# Altium PCB PCB_POWER.PcbDoc (continued)
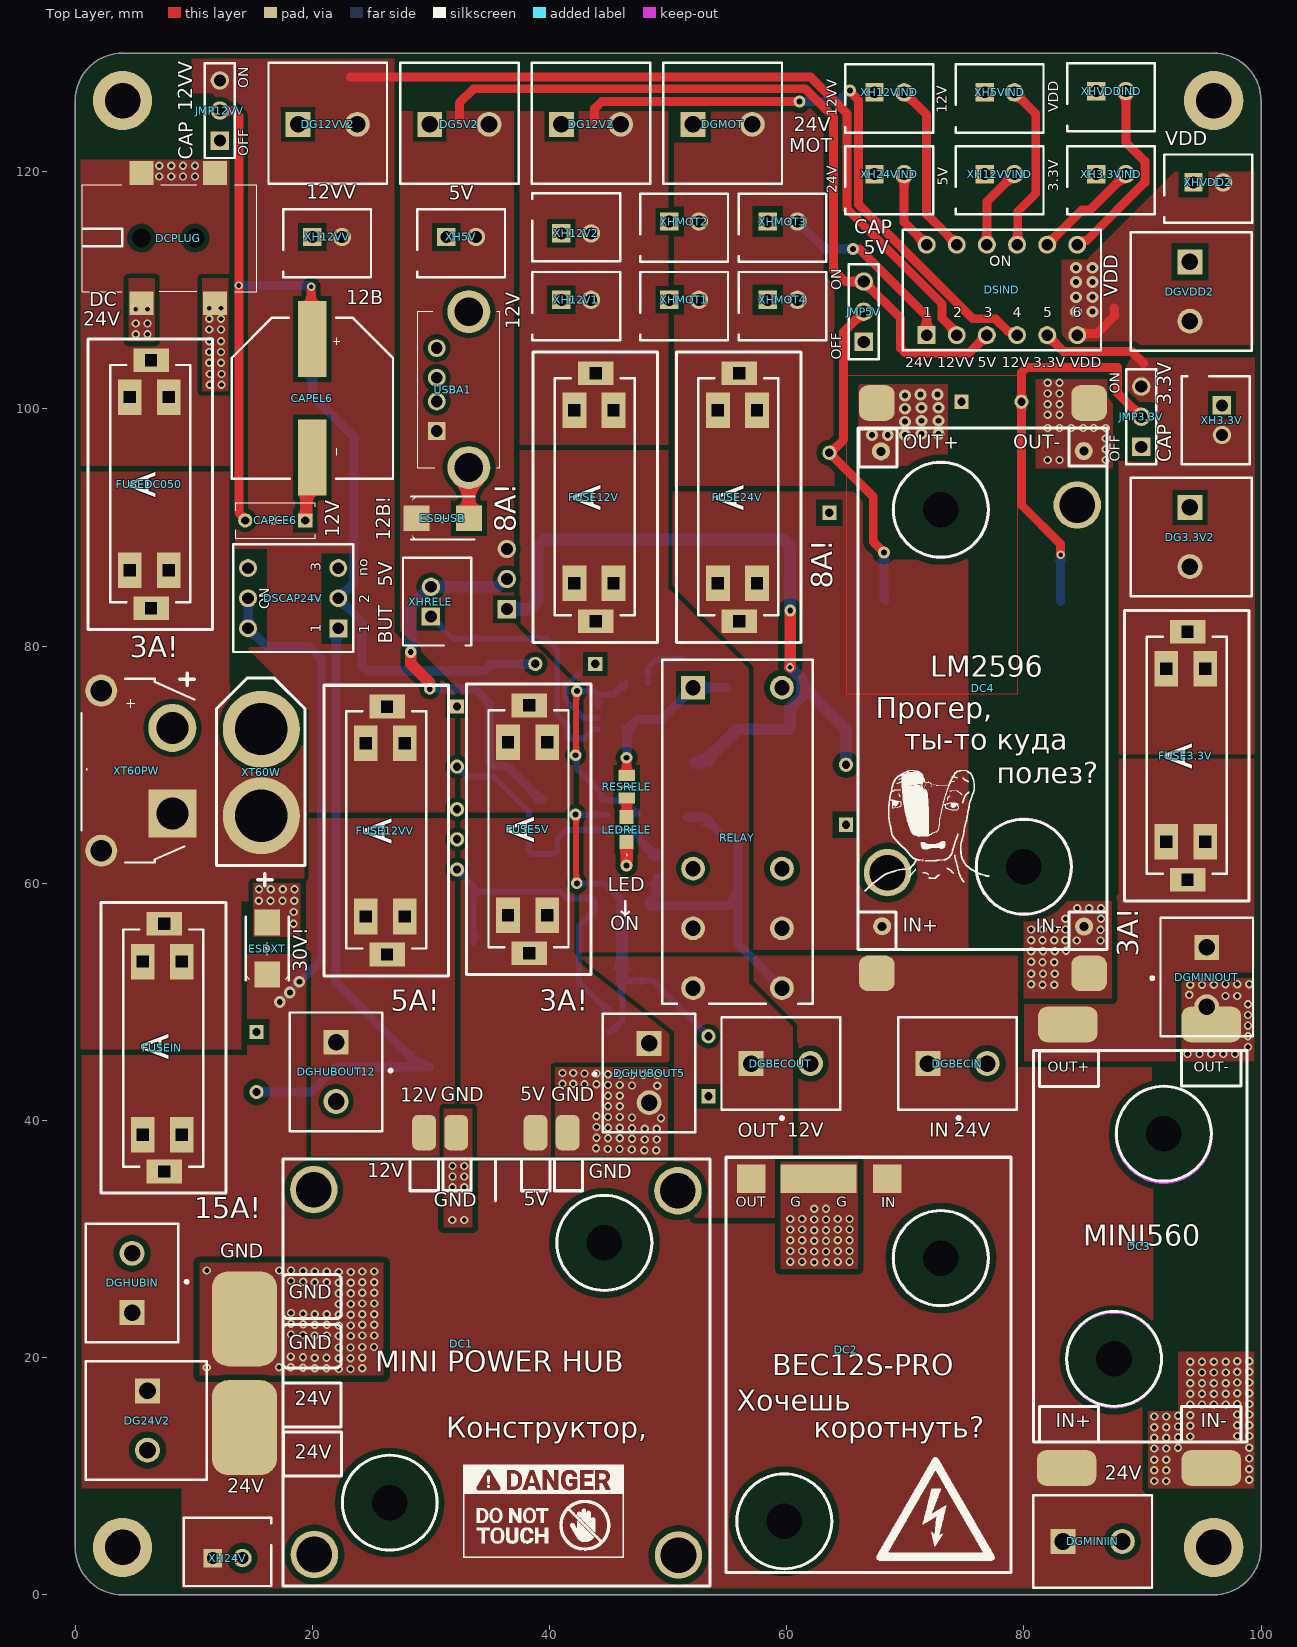
[diagram p0: Top Layer view]
## Footprints (in the part's own frame and the unit in brackets; to place one, negate y for a bottom-side part, rotate by r counter-clockwise, add the part's x,y. Pads: shape width x height; smd on the part's side, far side on the other; paste and mask are expansions set on the pad) (continued)
  rect 3x2 hole 1 square paste-2539.97 mask+0: 1(5,7) 1(5,3.7) 2(19.6,3.7) 2(19.6,7)
  silkscreen extent 0,0 24.5,10.5, body extent 0.12,0.38 24.62,10.08, height 11.2
Fuse#2 [mm]
  rect 2x3 hole 1 square paste-2539.97 mask+0: 1(1.8,-5.2) 2(22.7,-5.2)
  rect 3x2 hole 1 square paste-2539.97 mask+0: 1(5,-3.7) 1(5,-7) 2(19.6,-7) 2(19.6,-3.7)
  silkscreen extent 0,-10.5 24.5,0, body extent 0.12,-10.08 24.62,-0.38, height 11.2
JMP-03P [mm]
  rect 1.55x1.55 hole 1.02: 1(1.625,1.335)
  round 1.55 hole 1.02: 2(4.165,1.335) 3(6.705,1.335)
  silkscreen extent 0.17,0.07 8.17,2.61, body extent 0.36,0.07 7.98,2.61, height 8.38
LED0805 [mm]
  rect 1.2x1.2 smd: 1(0.713,0.735) 2(2.813,0.735)
  silkscreen extent -0.44,0.2 1.75,1.25, body extent 0.77,0.1 2.78,1.35, height 0.8
LM317 [mm]
  rect 0.95x1.75 smd: 1(0.711,1.253) 2(3.011,1.253) 3(5.311,1.253)
  rect 3.2x1.75 smd: 2(3.011,7.553)
  silkscreen extent -0.24,2.65 6.26,6.15, body extent -0.24,0.9 6.26,7.9, height 1.68
LM393ADR [mm]
  rect 1.528x0.65 smd: 1(0.877,4.536) 2(0.877,3.266) 3(0.877,1.996) 4(0.877,0.726) 5(6.299,0.726) 6(6.299,1.996) 7(6.299,3.266) 8(6.299,4.536)
  silkscreen extent 2.19,0.18 4.93,5.08, body extent 0.61,0.18 6.64,5.08, height 1.63
MAX40203 [mm]
  rect 1.25x0.6 smd: 1(-0.425,2.4) 3(-0.425,0.5) 4(2.075,0.5) 5(2.075,2.4)
  rect 1.25x0.5 smd: 2(-0.425,1.45)
  silkscreen extent 0.53,2.58 0.63,2.67, body extent -0.58,0 2.22,2.9, height 1.45
MINI560 [mm]
  round 0 hole 3 unplated: 0(6.798,7.006) 0(11,26)
  rrect50% 5x3 / inner rect 0x0 / far side rrect50% 0x0 all layers, no hole: 1(2.8,-2.2) 2(15,-2.2) 2(15,35.2) 3(2.9,35.2)
  silkscreen extent 0,0 18,33, body extent -0.32,-0.39 18.32,33.2, height 3
"MINI POWER HUB" [mm]
  round 4 hole 3 mask+0.1: 0(8.8,33.8)
  round 4 hole 3: 0(8.85,3.025) 0(39.5,33.7) 0(39.55,2.975)
  round 0 hole 3 unplated: 0(15.2,7.4) 0(33.3,29.3)
  rrect50% 5.5x8 / inner rect 0x0 / far side rrect50% 0x0 all layers, no hole: 1(2.95,13.725) 2(2.95,22.9)
  rrect50% 2x3 / inner rect 0x0 / far side rrect50% 0x0 all layers, no hole: 2(20.8,38.6) 2(30.2,38.6) 3(18.1,38.6) 4(27.5,38.6)
  silkscreen extent 6.21,0.38 42.21,36.38, body extent 6.05,0.25 42.3,36.5, height 3.76
RELAY-5V [mm]
  rect 2x2 hole 1.3 paste-2539.97 mask+0: 1(2.455,2.6)
  round 2 hole 1.3 paste-2539.97 mask+0: 2(2.455,10.1) A1(22.755,2.6) A2(17.715,2.6) A3(27.795,2.6) B1(22.755,10.1) B2(17.715,10.1) B3(27.795,10.1)
  silkscreen extent 0.11,0 29.1,12.7, body extent 0.11,0 29.1,12.7, height 16.2
RES0805 [mm]
  rect 0.95x1.4 smd: 1(0.578,0.804) 2(2.478,0.804)
  silkscreen extent 1.53,0.28 1.53,1.33, body extent 0.53,0.18 2.53,1.43, height 0.6
SM6T-A [mm]
  rect 2.2x2.15 smd: 1(1.126,1.927) 2(5.526,1.927)
  silkscreen extent 0.65,0.1 6,3.75, body extent 0.65,0.07 6,3.78, height 2.5
SMD_Fuse [mm]
  rect 3.81x4.24 smd: 1(1.908,2.654) 2(8.288,2.654)
  silkscreen extent 0.23,0.14 9.96,5.19, body extent 0.23,0.11 9.96,5.14, height 3.89
USBA-1JS [mm]
  round 3.615 hole 2.41: A(14.362,5.361) B(1.222,5.361)
  round 1.5 hole 1: D+(6.792,2.651) D-(8.792,2.651) GND(4.292,2.651)
  rect 1.5x1.5 hole 1: VDD(11.292,2.651)
  silkscreen extent 1.19,1.05 14.39,7.95, body extent 0.65,0.2 15,7.25, height 13.35
XH2.54-2#1 [mm]
  rect 1.55x1.55 hole 1 paste-2539.97 mask+0: 1(5.041,2.483)
  round 1.55 hole 1 paste-2539.97 mask+0: 2(2.541,2.483)
  silkscreen extent 0.09,0.13 7.49,5.88, body extent -0.01,0.03 7.59,5.98, height 0.25
XH2.54-2#2 [mm]
  rect 1.55x1.55 hole 1 paste-2539.97 mask+0: 1(5.041,-2.483)
  round 1.55 hole 1 paste-2539.97 mask+0: 2(2.541,-2.483)
  silkscreen extent 0.09,-5.88 7.49,-0.13, body extent 0.09,-5.88 7.49,-0.13, height 7
XH2.54-2#3 [mm]
  round 1.55 hole 1 paste-2539.97 mask+0: 1(5.041,2.483)
  rect 1.55x1.55 hole 1 paste-2539.97 mask+0: 2(2.541,2.483)
  silkscreen extent 0.09,0.13 7.49,5.88, body extent -0.01,0.03 7.59,5.98, height 0.25
XT60 [mm]
  round 6.5 hole 4.4: 1(3.787,11.588) 2(3.787,4.288)
  silkscreen extent -0.01,0.09 7.49,15.89, body extent 0.04,-0.31 7.54,16.24, height 16
XT60PW [mm]
  round 2.7 hole 1.8: 0(1.175,7.936) 0(14.675,7.936)
  rect 4.05x4.05 hole 2.7: 1(4.325,1.936)
  round 4.05 hole 2.7: 2(11.525,1.936)
  silkscreen extent 0.18,0.09 15.68,9.6, body extent -0.25,0.1 16.3,7.6, height 16
К10-17Б [mm]
  rect 1.2x1.2 hole 0.7: 1(0.838,1.533)
  round 1.2 hole 0.7: 2(5.9,1.533)
  silkscreen extent 0.01,0.03 6.7,3.03, body extent 0.48,0 6.22,3, height 4.51

## Part data
ANCOM1: "MAX40203AUK+T"
CAPCE1 CAPCE2 CAPCE5 CAPCE6 CAPCE7 CAPCMP CAPGIS CAPREG: library part CAP, "К10-17Б"
CAPEL1 CAPEL2 CAPEL5 CAPEL6 CAPEL7: library part CAP-12.5x13.5, "YUQINGXIN"
CMP: "LM393ADR"
CMPLOOP RCMP1 RCMP? RESCMP RESRELE RVAR: library part RES0805, "RES-SMD0805"
DC1: "DC-DC MINU POWER HUB BEC 5V & 12V"
DC2: "DC-DC BEC12S-PRO"
DC3: "MINI560 PRO DC-DC"
DC4: "LM2596 DC-DC"
DCPLUG: "DC050-T"
DG3.3V2: library part DG128-5.0-02P, "DG128-5.0-02P-14"
DG5V2 DG12V2 DG12VV2 DG24V2 DGMOT DGVDD2: "DG128-5.0-02P-14"
DGBECIN DGBECOUT: library part DG127-5.0-02P, "DG127-5.0-02P-14-00Z"
DGHUBIN DGHUBOUT5 DGHUBOUT12 DGMINIIN DGMINIOUT: "DG127-5.0-02P-14-00Z"
DIODRELE: "1N4448WS-7-F"
DSCAP24V: "DS1040-03RN"
DSIND: "DS1040-06RN"
ESDPLUG ESDUSB ESDXT: library part SM6T-A, "SM6T12A-SMD"
FUSE3.3V FUSE5V FUSE12V FUSE12VV FUSE24V FUSEDC050 FUSEIN: library part Fuse, "KLS5-242 & BLX-A & BF-013"
JMP3.3V JMP5V JMP12VV: library part JMP-03P, "PLS-1x3"
JMPRELE: "PLS-1x3"
LEDCMP1 LEDCMP2: "LED-SMD0805"
LEDRELE: library part LED0805, "LED-SMD0805"
RCMP2: "3296W"
RELAY: library part RELAY-5V, "R2G2CH005"
SMDFUSEVDD: library part SMD_Fuse, "01550900M"
USBA1: library part USBA-1JS, "DS1095-10"
VREF1: "LM317AEMP"
VREF2: "78M05 +5V"
XH3.3V XH3.3VIND XH5V XH5VIND XH12V1 XH12V2 XH12VIND XH12VV XH12VVIND XH24VIND XHMOT1 XHMOT2 XHMOT3 XHMOT4 XHRELE XHVDDIND: "JST XH2.54-2pin"
XH24V XHVDD2: library part XH2.54-2, "JST XH2.54-2pin"
XT60PW: library part XT60PW, "XT60PW-F"
XT60W: "XT60U-F"

## Free pads (board coordinates)
  round 5 hole 3: 24(4,4) 24(4,126) 24(96,4) 24(96,126)
  round 1.524 hole 0.762: 26(68.05,56.375) 27(85.075,56.35) 28(85.05,96.45) 29(67.95,96.425)

## Via types
v1: diameter 0.7, hole 0.4, Top Layer to Bottom Layer, 326 vias
v2: diameter 1, hole 0.5, Top Layer to Bottom Layer, 38 vias

## Nets (pads, with @x,y where several pads share a name; then routed paths per layer and width w, separated by ;. In a path a pad name is that pad's centre, name@x,y a point inside that pad or via, vN(x,y) a via of type N, cw(c..) or ccw(c..) an arc to the next point about the centre after c; other vN are vias at no path point)
3.3V: DG3.3V2.1 DSIND.5 FUSE3.3V.2 JMP3.3V.3 XH3.3V.2 | length 9.1
  Top Layer w0.75: DSIND.5 83.349,104.836 89.104,104.836 90.1,103.84
5V: DG5V2.1 DSIND.3 ESDUSB.1 FUSE5V.2 JMP5V.3 JMPRELE.3 USBA1.VDD XH5V.2 | length 65.3
  Top Layer w0.75: 32.4,124.3 32.4,125.8 33.6,127 61.561,127 63.954,124.607 63.954,111.746 64.96,110.74 JMP5V.3 69.6,107.64 69.6,105.139 70.039,104.7 75.355,104.7 DSIND.3
5VLDO: CAPREG.2 JMPRELE.1 VREF2.3 | length 62.9
  Top Layer w1: v1(60.286,78.218) 60.3,78.232 v2(60.3,83)
  Bottom Layer w1: JMPRELE.1 38.334,83.12 39,83.786 39,88.414 39.586,89 59.7,89 60.286,88.414 60.286,83.014 v2(60.3,83) ; VREF2.3 53,70.172 55.814,72.986 60.286,72.986 60.286,74.782 61.3,75.796 61.3,76.7 ; v1(60.286,78.218) 61.3,77.204 61.3,76.7 ; CAPREG.2 65,73 61.3,76.7
12V: DG12V2.1 DSIND.4 FUSE12V.2 XH12V1.2 XH12V2.2 | length 51.1
  Top Layer w0.75: 43.9,124.3 43.8,124.4 43.8,125.325 44.4,125.925 v2(61.075,125.925) ; v2(65.325,126.85) 65.325,126.782 66.05,126.057 66.05,117.25 75.7,107.6 77.6,107.6 78.671,106.529 78.926,106.529 79.275,106.18 DSIND.4@79.48,106.18
  Bottom Layer w0.75: v2(61.075,125.925) 64.332,125.925 65.257,126.85 v2(65.325,126.85)
12VV: DG12VV2.1 DSIND.2 FUSE12VV.2 JMP12VV.3 XH12VV.2 | length 65.7
  Top Layer w0.75: 23.2,128 62,128 65.1,124.9 65.1,116.857 73.11,108.847 73.11,107.653 74.34,106.423 DSIND.2
24V: DC1.1 DC2.1 DC3.1 DC4.1 DG24V2.1 DGBECIN.1 DGHUBIN.1 DGMINIIN.2 DSCAP24V.5 DSCAP24V.6 ESDXT.1 FUSEIN.2 RCMP?.1 RELAY.B3 VREF1.3 VREF2.1 XH24V.2 | length 69.8
  Bottom Layer w0.75: DSCAP24V.5@14.6,84.04 14.6,81.5 16.129,79.971 19.729,79.971 20.75,78.95 20.75,53.5 18.95,51.7 v2(18.9,51.7) 18.9,51.65 18.1,50.85 v2(18.1,50.8) 18.075,50.8 17.275,50 v2(17.25,50) ; RCMP?.1 49,59.039 48.561,58.6 48.5,58.6 48.4,58.5 VREF1.3 55,58.1 55.9,59 ; VREF2.1@51.6,65.6 VREF2.1 53,65.6 54.639,63.961 55.461,63.961 55.9,63.522 55.9,59 ; RELAY.B3 55.9,54.86 55.9,59
GND: ANCOM1.2 CAPCE1.1 CAPCE2.1 CAPCE5.1 CAPCE6.1 CAPCE7.1 CAPCMP.1 CAPEL1.2 CAPEL2.2 CAPEL5.2 CAPEL6.2 CAPEL7.2 CAPGIS.1 CAPREG.1 CMP.4 DC1.2 DC2.2 DC3.2 DC4.2 DCPLUG.2 DCPLUG.3 DG3.3V2.2 DG5V2.2 DG12V2.2 DG12VV2.2 DG24V2.2 DGBECIN.2 DGBECOUT.2 DGHUBIN.2 DGHUBOUT5.2 DGHUBOUT12.1 DGMINIIN.1 DGMINIOUT.2 DGMOT.2 DGVDD2.2 DIODRELE.2 ESDPLUG.2 ESDUSB.2 ESDXT.2 LEDCMP1.1 LEDCMP2.1 LEDRELE.1 pad.24@4,4 pad.24@96,126 pad.27 pad.28 RCMP2.2 RELAY.2 RVAR.1 USBA1.A USBA1.B USBA1.GND VREF2.2 XH3.3V.1 XH3.3VIND.1 XH5V.1 XH5VIND.1 XH12V1.1 XH12V2.1 XH12VIND.1 XH12VV.1 XH12VVIND.1 XH24V.1 XH24VIND.1 XHMOT1.1 XHMOT2.1 XHMOT3.1 XHMOT4.1 XHVDD2.1 XHVDDIND.1 XT60PW.2 XT60W.1 | length 18
  Top Layer w1: CAPCE6.1 19.5,90.7 19.5,95.4 CAPEL6.2 ; ESDUSB.2@33.2,90.7 ESDUSB.2 USBA1.A ; v2(46.5,61.486) LEDRELE.1
  Bottom Layer w0.5: 42.5,77.6 42.356,77.6 41.35,76.594 41.35,75.45 42.85,73.95 ANCOM1.2
  other v1: 91,9.6 92,9.6 99,9.7 91,10.5 92,10.5 99,10.6 91,11.4 92,11.4 99,11.5 90.995,12.34 91.995,12.34 93,12.4 99,12.4 90.995,13.24 91.995,13.24 93,13.3 94.021,13.351 98,13.4 99,13.4 90.995,14.14 91.995,14.14 93,14.2 94.021,14.251 98,14.3 99,14.3 90.995,15.04 91.995,15.04 93,15.1 94.021,15.151 98,15.2 99,15.2 94.021,16.051 95.021,16.051 96.021,16.051 97.021,16.051 98,16.1 99,16.1 94.021,16.951 95.021,16.951 96.021,16.951 97.021,16.951 98,17 99,17 94.021,17.851 95.021,17.851 96.021,17.851 97.021,17.851 98,17.9 99,17.9 94.021,18.751 95.021,18.751 96.021,18.751 97.021,18.751 98,18.8 99,18.8 22.221,19.051 23.221,19.051 20.2,19.1 21.2,19.1 24.2,19.1 19.209,19.139 11.095,19.178 17.187,19.189 18.187,19.189 94.021,19.651 95.021,19.651 96.021,19.651 97.021,19.651 98,19.7 99,19.7 22.221,19.951 23.221,19.951 20.2,20 21.2,20 24.2,20 19.209,20.039 18.187,20.089 22.221,20.851 23.221,20.851 24.2,20.9 25.2,20.9 22.234,21.82 23.234,21.82 20.213,21.87 21.213,21.87 24.213,21.87 25.213,21.87 19.221,21.909 18.2,21.958 22.234,22.72 23.234,22.72 20.213,22.77 21.213,22.77 24.213,22.77 25.213,22.77 19.221,22.809 18.2,22.858 22.234,23.62 23.234,23.62 20.213,23.67 21.213,23.67 24.213,23.67 25.213,23.67 19.221,23.709 18.2,23.758 22.234,24.52 23.234,24.52 24.213,24.57 25.213,24.57 22.234,25.42 23.234,25.42 24.213,25.47 25.213,25.47 22.234,26.32 23.234,26.32 20.213,26.37 21.213,26.37 24.213,26.37 25.213,26.37 19.221,26.409 18.2,26.458 22.234,27.22 23.234,27.22 20.213,27.27 21.213,27.27 24.213,27.27 25.213,27.27 19.221,27.309 11.108,27.348 17.2,27.358 18.2,27.358 62.321,28.051 63.321,28.051 60.3,28.1 61.3,28.1 64.3,28.1 65.3,28.1 62.321,28.951 63.321,28.951 60.3,29 61.3,29 64.3,29 65.3,29 62.321,29.851 63.321,29.851 60.3,29.9 61.3,29.9 64.3,29.9 65.3,29.9 62.321,30.751 63.321,30.751 60.3,30.8 61.3,30.8 64.3,30.8 65.3,30.8 31.8,31.6 32.8,31.6 62.321,31.651 63.321,31.651 60.3,31.7 61.3,31.7 64.3,31.7 65.3,31.7 62.321,32.551 63.321,32.551 31.813,34.37 32.813,34.37 31.813,35.27 32.813,35.27 31.813,36.17 32.813,36.17 48,37.5 49,37.5 46.926,37.56 44.9,37.6 45.9,37.6 43.926,37.66 48.032,38.395 49.032,38.395 46.958,38.454 44.932,38.495 45.932,38.495 43.958,38.554 48.032,39.295 49.032,39.295 46.958,39.354 44.932,39.395 45.932,39.395 43.958,39.454 49.4,40.2 46.958,40.254 44.932,40.295 45.932,40.295 43.958,40.354 44.932,41.195 45.932,41.195 44.932,42.095 45.932,42.095 49.09,42.933 46.958,42.954 44.932,42.995 45.932,42.995 42.958,43.054 43.958,43.054 41.1,43.1 42,43.1 49.09,43.833 46.958,43.854 47.921,43.861 44.932,43.895 45.932,43.895 42.958,43.954 43.958,43.954 41.1,44 42,44 93.8,45.6 94.8,45.6 95.8,45.6 96.8,45.6 97.8,45.6 98.9,46.2 98.9,47.1 98.9,48 98.9,48.9 98.9,49.8 97,50.5 98,50.5 93.952,50.591 81.567,51.452 82.567,51.452 94.02,51.456 95.02,51.456 96.02,51.456 80.608,51.482 97,51.5 98,51.5 99,51.5 80.608,52.382 81.608,52.382 82.608,52.382 81.567,53.352 82.567,53.352 80.608,53.382 80.608,54.282 81.608,54.282 82.608,54.282 83.546,54.322 84.459,55.171 86.459,55.171 80.608,55.2 81.567,55.2 82.567,55.2 83.5,55.2 86.459,56.071 80.608,56.1 81.608,56.1 82.608,56.1 83.5,56.1 18.419,56.598 83.5,57 86.5,57 18.441,57.579 84.5,57.9 85.5,57.9 86.5,57.9 15.478,58.519 16.478,58.519 17.478,58.519 18.478,58.519 15.5,59.5 16.5,59.5 17.5,59.5 18.5,59.5 82,95.7 83,95.7 86.9,95.7 86.9,96.6 86.9,97.5 82,98.4 83,98.4 84,98.4 85,98.4 85.9,98.4 86.9,98.4 82,99.5 83,99.5 82,100.4 83,100.4 82,101.3 83,101.3 11.343,102.046 12.343,102.046 82,102.2 83,102.2 11.343,102.946 12.343,102.946 11.3,103.9 12.3,103.9 11.3,104.8 12.3,104.8 11.3,105.7 12.3,105.7 5.1,106.3 6.1,106.3 11.3,106.7 12.3,106.7 5.1,107.2 6.1,107.2 11.3,107.6 12.3,107.6 5.1,108.4 6.1,108.4 11.3,108.5 12.3,108.5
NetANCOM1_1: ANCOM1.1 XHRELE.1 | length 22.4
  Bottom Layer w0.5: XHRELE.1 31.863,80.637 39.763,80.637 40.65,79.75 40.65,74.186 41.5,73.336 41.5,72.5 41.793,72.207 42.957,72.207 43.75,73 ANCOM1.1
NetANCOM1_3: ANCOM1.3 CMP.1 CMPLOOP.1 RESCMP.2 | length 19.4
  Top Layer w0.5: v2(42.2,70.8) 42.25,70.85 42.25,76.15 v2(42.3,76.2)
  Bottom Layer w0.5: v2(42.2,70.8) 42.296,70.704 42.296,69.644 44.386,67.554 44.386,67.115 44.461,67.04 CMP.1 44.975,66.965 46.21,66.965 47.275,65.9 CMPLOOP.1 ; v2(42.3,76.2) 43.782,76.2 44.075,75.907 ; ANCOM1.3 44.075,75.907 ; RESCMP.2 46.4,76.675 46.175,76.45 45.95,76.45 45.407,75.907 44.075,75.907
NetANCOM1_5: ANCOM1.5 DIODRELE.1 RELAY.1 RESRELE.2 | length 13.8
  Top Layer w0.75: RESRELE.2 v2(46.5,70.586)
  Bottom Layer w0.75: v2@46.46,70.626 v2(46.5,70.586) 46.538,70.624 46.538,72.963 47.375,73.8 49.4,73.8 RELAY.1 DIODRELE.1
NetCAPCE1_2: CAPCE1.2 CAPEL1.1 DSCAP24V.1 | length 56.1
  Bottom Layer w0.75: CAPCE1.2 19.887,42.4 21.987,44.5 28.325,44.5 CAPEL1.1 28.275,45.325 22,51.6 22,81.305 DSCAP24V.1
NetCAPCE2_2: CAPCE2.2 CAPEL2.1 DSCAP24V.2 | length 45.4
  Bottom Layer w0.75: CAPEL2.1 20,101.113 23.524,97.589 23.524,85.369 DSCAP24V.2 24.2,82.035 24.2,78.339 24.639,77.9 34.539,77.9 35.139,78.5 CAPCE2.2
NetCAPCE5_2: CAPCE5.2 CAPEL5.1 JMP5V.2 | length 27.5
  Top Layer w0.75: JMP5V.2 64.8,106.5 64.8,97.4 63.7,96.3 CAPCE5.2 67.3,92.6 67.3,88.8 v2(68.2,87.9)
  Bottom Layer w0.75: v2(68.2,87.9) 68.2,84 CAPEL5.1
NetCAPCE6_2: CAPCE6.2 CAPEL6.1 JMP12VV.2 | length 48.7
  Top Layer w0.75: JMP12VV.2 12.226,125.134 13.361,125.134 13.8,124.694 v1(13.8,110.4) 13.8,91.26 14.338,90.722 CAPCE6.2 ; v1(19.9,110.3) 19.9,106 CAPEL6.1 CAPEL6.1@20,103.9
  Bottom Layer w0.75: v1(13.8,110.4) 19.8,110.4 v1(19.9,110.3)
NetCAPCE7_2: CAPCE7.2 CAPEL7.1 JMP3.3V.2 | length 33.9
  Top Layer w0.75: v1(83.1,87.7) 83.1,88.6 79.8,91.9 CAPCE7.2 79.8,103.061 80.239,103.5 87.9,103.5 87.9,101.34 JMP3.3V.2
  Bottom Layer w0.75: CAPEL7.1@83.1,83.8 CAPEL7.1 v1(83.1,87.7)
NetCAPCMP_2: CAPCMP.2 CMP.2 RCMP1.2 VREF1.2 | length 33.9
  Top Layer w0.5: v2(42.2,65.8) 42.25,65.75 42.25,60.05 v2(42.3,60)
  Bottom Layer w0.5: v2(42.2,65.8) 42.215,65.785 44.885,65.785 CMP.2 ; v2(42.3,60) 44.6,60 46.1,58.5 VREF1.2@46.1,58.1 ; RCMP1.2 45.225,47.5 46.15,48.425 46.15,50.061 46.1,50.111 46.1,51.8 48.7,51.8 CAPCMP.2
  Bottom Layer w1: VREF1.2@46.1,51.8 VREF1.2@46.1,58.1
NetCAPGIS_2: CAPGIS.2 CMP.3 CMPLOOP.2 RCMP?.2 | length 23.8
  Bottom Layer w0.5: CAPGIS.2 33.038,69 35.3,69 38.264,66.036 38.264,62.719 38.528,62.455 40.428,62.455 40.692,62.719 40.692,63.792 41.4,64.5 CMP.3
  Bottom Layer w0.7: CMP.3 44.925,64.475 46.025,64.475 46.375,64.125 47.375,64.125 CMPLOOP.2 ; CMPLOOP.2@47.7,63.525 RCMP?.2@48.825,62.4
  Bottom Layer w1: RCMP?.2@48.825,62.4 RCMP?.2
NetCMP_8: CMP.8 JMPRELE.2 XHRELE.2 | length 33.1
  Top Layer w1: v2(28.3,79.5) 28.3,78.5 29.9,76.9 v2(29.9,76.4)
  Bottom Layer w0.7: v2(29.9,76.4) 33.7,76.4 34.95,75.15 34.95,70.172 35.272,69.85 36.45,69.85 39.064,67.236 39.064,67.065 39.453,67.065 CMP.8
  Bottom Layer w1: v2(28.3,79.5) 28.3,83.34 29.96,85 XHRELE.2 35.591,85 36.251,85.66 JMPRELE.2
NetDC1_3: DC1.3 DGHUBOUT12.2 FUSE12VV.1
NetDC1_4: DC1.4 DGHUBOUT5.1 FUSE5V.1
NetDC2_3: DC2.3 DGBECOUT.1 RELAY.A3
NetDC3_3: DC3.3 DGMINIOUT.1 FUSE3.3V.1
NetDC4_3: DC4.3 pad.29 SMDFUSEVDD.1
  other v2: 67.2,97.8 68.52,97.807 69.981,97.808 71.373,97.902 72.8,97.9 69.974,98.923 71.374,99.006 72.801,99.004 69.973,100.019 71.373,100.102 72.8,100.1 69.973,101.119 72.708,101.206 71.281,101.208
NetDCPLUG_1: DCPLUG.1 ESDPLUG.1 FUSEDC050.2
  other v1: 7.1,119.6 8.1,119.6 9.1,119.6 10.1,119.6 7.1,120.5 8.1,120.5 9.1,120.5 10.1,120.5
NetDGMOT_1: DGMOT.1 DSIND.1 FUSE24V.2 XHMOT1.2 XHMOT2.2 XHMOT3.2 XHMOT4.2 | length 15.8
  Top Layer w0.75: v2(65.6,113.5) 66.1,113.5 71.8,107.8 DSIND.1
  Bottom Layer w0.75: XHMOT3.2 63.2,113.5 v2(65.6,113.5)
NetDSIND_7: DSIND.7 XHVDDIND.2 | length 16.2
  Top Layer w0.75: DSIND.7 84.705,113.845 85.062,114.202 85.302,114.202 90.2,119.1 90.2,120.9 88.6,122.5 XHVDDIND.2
NetDSIND_8: DSIND.8 XH3.3VIND.2 | length 9.1
  Top Layer w0.75: DSIND.8 84.914,116.799 85.599,116.799 XH3.3VIND.2
NetDSIND_9: DSIND.9 XH5VIND.2 | length 14.3
  Top Layer w0.75: XH5VIND.2 81,124.9 81,118.167 79.48,116.647 DSIND.9@79.48,113.8
NetDSIND_10: DSIND.10 XH12VVIND.2 | length 7
  Top Layer w0.75: DSIND.10 76.88,117.48 XH12VVIND.2 ; DSIND.10@76.888,113.853 DSIND.10@76.94,113.8
NetDSIND_11: DSIND.11 XH12VIND.2 | length 14.8
  Top Layer w0.75: XH12VIND.2 71.8,124.8 71.8,116.4 DSIND.11@74.4,113.8
NetDSIND_12: DSIND.12 XH24VIND.2 | length 6.7
  Top Layer w0.75: XH24VIND.2 69.9,115.745 DSIND.12
NetFUSE12V_1: FUSE12V.1 RELAY.A1
NetFUSE24V_1: FUSE24V.1 pad.26 RELAY.B1
NetFUSEDC050_1: FUSEDC050.1 FUSEIN.1 XT60PW.0 XT60PW.1 XT60W.2
NetLEDCMP1_2: LEDCMP1.2 LEDCMP2.2 RESCMP.1 | length 4.5
  Bottom Layer w0.5: RESCMP.1 48.3,78.2 LEDCMP1.2 LEDCMP2.2
NetLEDRELE_2: LEDRELE.2 RESRELE.1 | length 1.6
  Top Layer w0.75: LEDRELE.2 RESRELE.1
NetRCMP1_1: RCMP1.1 RCMP2.1 RVAR.2 VREF1.1 | length 28.1
  Bottom Layer w0.5: RCMP2.1 33.6,59.76 33.6,59.3 ; RVAR.2 33.6,59.3 ; RCMP1.1 44.775,49.4 42.575,51.6 42.5,51.6 42.5,56.4 43.8,57.7 VREF1.1 43.8,58.5 43.575,58.725 41.511,58.725 40.936,59.3 33.6,59.3
VDDIN: DGVDD2.1 DSIND.6 SMDFUSEVDD.2 XHVDD2.2 | length 4.5
  Top Layer w0.75: DSIND.6 84.645,106.37 86.17,106.37 87.639,107.839 87.639,108.461 87.6,108.5
  other v2: 84.4,108.2 85.8,108.2 84.401,109.421 85.8,109.421 84.4,110.7 85.8,110.7 84.4,111.9 85.8,111.9
pads on no net: ANCOM1.4 CMP.5 CMP.6 CMP.7 DC1.0 DC2.0 DC3.0 DC4.0 DCPLUG.0 DSCAP24V.3 DSCAP24V.4 JMP3.3V.1 JMP5V.1 JMP12VV.1 RCMP2.3 RELAY.A2 RELAY.B2 USBA1.D+ USBA1.D-

## Polygon pours and split planes (outlines as drawn)
NetDGMOT_1 on Top Layer "NETDGMOT_1_L01_P048" (solid, remove dead copper, pour order 48): 50.5,93.2 50.5,125.5 64,125.5 64,93.2
5V on Top Layer "5V_L01_P047" (solid, remove dead copper, pour order 47): 42,66 42,77 37,82 37,125.1 27.4,125.1 27.4,81.3 32.5,76.2 32.5,66
3.3V on Top Layer "3.3V_L01_P045" (solid, remove dead copper, pour order 45): 99.45,70.9 88,70.9 88,104.3 99.45,104.3
NetDC1_4 on Top Layer "NETDC1_4_L01_P039" (solid, pour order 39): 52.5,37 32.5,37 32.5,65.5 52.323,65.5
VDDIN on Top Layer "VDDIN_L01_P010" (solid, remove dead copper, pour order 10): 65,76 79.5,76 79.482,76.018 79.482,102.796 65.204,102.796 65,103
NetFUSE12V_1 on Top Layer "NETFUSE12V_1_L01_P005" (solid, remove dead copper, pour order 5): 56.8,54.2 56.8,78.1 50,84.9 50,96.5 37.5,96.5 37.5,82 42.5,77 42.5,54.2
12VV on Top Layer "12VV_L01_P004" (solid, remove dead copper, pour order 4): 32,66 19.7,66 19.7,74.6 13.5,80.8 13.5,125.1 26.9,125.1 26.9,81.2 32,76.1
12VV on Top Layer "12VV_L01_P000" (solid, remove dead copper, pour order 0): 9.8,122 26.9,122 26.9,130 9.825,130
NetDC3_3 on Top Layer "NETDC3_3_L01_P057" (solid, remove dead copper, pour order 57): 80,45 100,45 100,70.9 80,70.9
NetFUSEDC050_1 on Top Layer "NETFUSEDC050_1_L01_P035" (solid, pour order 35): 0,94.7 13,94.7 13,76.8 19.3,76.8 19.3,58.5 14,58.5 14,46 0,46
24V on Top Layer "24V_L01_P041" (solid, remove dead copper, pour order 41): 90.8,36.5 90.8,44.5 79.5,44.5 79.5,50 62,50 62,54 56,54 56,51.5 61,46.5 61,36.5
NetDC2_3 on Top Layer "NETDC2_3_L01_P001" (solid, remove dead copper, pour order 1): 58.99,33.4 59,33.39 59,31.8 50.5,31.8 50.5,37 59,37
NetFUSE24V_1 on Top Layer "NETFUSE24V_1_L01_P006" (solid, remove dead copper, pour order 6): 56,54.3 56.1,54.4 75.3,54.4 75.3,93 50.4,93 50.4,83.6 55.7,78.3 55.7,54.3
NetDC2_3 on Top Layer "NETDC2_3_L01_P012" (solid, remove dead copper, pour order 12): 60.5,37 50.5,37 50.5,47.5 42.5,53.792 56.8,54 56.8,51.6 60.5,47.9
VDDIN on Top Layer "VDDIN_L01_P013" (solid, remove dead copper, pour order 13): 83.2,105.4 83.2,112.6 85.3,112.6 92.7,120 100,120 100,105.4
GND on Top Layer "GND_L01_P015" (solid, pour order 15): 15,55.5 19,55.5 19,60 15,60
GND on Top Layer "GND_L01_P016" (solid, pour order 16): 31.1,41 33.5,41 33.5,31 31.1,31
GND on Top Layer "GND_L01_P018" (solid, pour order 18): 10.5,18.5 10.5,28 26,28 26,18.5
GND on Top Layer "GND_L01_P019" (solid, pour order 19): 40.5,37 40.5,44.5 50,44.5 49.99,44.49 49.99,37
GND on Top Layer "GND_L01_P020" (solid, pour order 20): 59.5,36.5 66,36.5 66,27.5 59.5,27.5
GND on Top Layer "GND_L01_P021" (solid, pour order 21): 100,9 90.5,9 90.5,15.5 93,15.5 93,20.5 100,20.5
GND on Top Layer "GND_L01_P022" (solid, pour order 22): 80,50.3 87.4,50.3 87.4,58.5 80,58.5
GND on Top Layer "GND_L01_P026" (solid, pour order 26): 93.3,45 93.3,52 100,52 100,45
GND on Top Layer "GND_L01_P033" (solid, pour order 33): 81,102.5 87.5,102.5 87.5,95 81,95
24V on Top Layer "24V_L01_P036" (solid, remove dead copper, pour order 36): 0,45.5 19.5,45.5 19.5,36.5 90.9,36.5 90.9,0 0,0
24V on Top Layer "24V_L01_P037" (solid, pour order 37): 19.5,45.5 19.5,54 14.5,54 14.5,45.5
NetDC1_3 on Top Layer "NETDC1_3_L01_P038" (solid, pour order 38): 32,37 19.5,37 19.5,65.5 32,65.5
24V on Top Layer "24V_L01_P043" (solid, pour order 43): 62,54 65,54 65,49.5 62,49.5
24V on Top Layer "24V_L01_P044" (solid, remove dead copper, pour order 44): 65,50 79.5,50 79.5,53.9 65,53.9
12V on Top Layer "12V_L01_P046" (solid, remove dead copper, pour order 46): 50,97 50,125.1 37.5,125.1 37.5,97
GND on Top Layer "GND_L01_P049" (solid, pour order 49): 4.5,111 6.7,111 6.7,105.7 4.5,105.7
GND on Top Layer "GND_L01_P050" (solid, pour order 50): 10.7,111 12.9,111 12.9,101.5 10.7,101.5
NetDCPLUG_1 on Top Layer "NETDCPLUG_1_L01_P051" (solid, pour order 51): 0,95.2 13,95.2 13,121 0,121
NetDC4_3 on Top Layer "NETDC4_3_L01_P055" (solid, remove dead copper, pour order 55): 66.02,102.063 73.6,102.063 73.6,95.225 66.128,95.225
no net on Mechanical 1 "Mechanical 1-No Net" (none): 22.524,7.775 ccw(c26.525,7.775) 26.525,3.774 ccw(c26.525,7.775) 30.526,7.775 ccw(c26.525,7.775) 26.525,11.776 ccw(c26.525,7.775)
no net on Keep-Out Layer "Keep-Out Layer-No Net" (none): 83.605,19.806 ccw(c87.598,19.806) 87.598,15.813 ccw(c87.598,19.806) 91.59,19.806 ccw(c87.598,19.806) 87.598,23.798 ccw(c87.598,19.806)
no net on Keep-Out Layer "Keep-Out Layer-No Net" (none): 68.95,28.4 ccw(c73,28.4) 73,24.35 ccw(c73,28.4) 77.05,28.4 ccw(c73,28.4) 73,32.45 ccw(c73,28.4)
no net on Keep-Out Layer "Keep-Out Layer-No Net" (none): 68.95,91.5 ccw(c73,91.5) 73,87.45 ccw(c73,91.5) 77.05,91.5 ccw(c73,91.5) 73,95.55 ccw(c73,91.5)
no net on Keep-Out Layer "Keep-Out Layer-No Net" (none): 55.781,6.2 ccw(c59.793,6.2) 59.793,2.188 ccw(c59.793,6.2) 63.805,6.2 ccw(c59.793,6.2) 59.793,10.212 ccw(c59.793,6.2)
no net on Keep-Out Layer "Keep-Out Layer-No Net" (none, remove dead copper): 75.95,61.4 ccw(c80,61.4) 80,57.35 ccw(c80,61.4) 84.05,61.4 ccw(c80,61.4) 80,65.45 ccw(c80,61.4)
no net on Keep-Out Layer "Keep-Out Layer-No Net" (none): 22.529,7.775 ccw(c26.525,7.775) 26.525,3.779 ccw(c26.525,7.775) 30.521,7.775 ccw(c26.525,7.775) 26.525,11.771 ccw(c26.525,7.775)
no net on Keep-Out Layer "Keep-Out Layer-No Net" (none): 87.753,38.794 ccw(c91.802,38.794) 91.802,34.745 ccw(c91.802,38.794) 95.852,38.794 ccw(c91.802,38.794) 91.802,42.844 ccw(c91.802,38.794)
no net on Keep-Out Layer "Keep-Out Layer-No Net" (none): 40.589,29.675 ccw(c44.625,29.675) 44.625,25.639 ccw(c44.625,29.675) 48.661,29.675 ccw(c44.625,29.675) 44.625,33.711 ccw(c44.625,29.675)
GND on Bottom Layer "GND_L02_P056" (solid, remove dead copper, pour order 56): 0,0 0,130 100,130 100,0
NetDC4_3 on Bottom Layer "NETDC4_3_L02_P023" (solid, remove dead copper, pour order 23): 66.033,97 73.9,97 73.9,102.4 76.8,102.4 76.8,112.5 67.8,112.5 67.775,112.475 67.775,104.385 66.033,104.385
VDDIN on Bottom Layer "VDDIN_L02_P025" (solid, remove dead copper, pour order 25): 86.6,112.6 78.3,112.6 78.3,107.4 86.6,107.4
NetDCPLUG_1 on Bottom Layer "NETDCPLUG_1_L02_P053" (solid, remove dead copper, pour order 53): 6.4,121 16.2,121 16.2,115.475 16.275,115.4 14.125,115.4 14.125,118.875 13.922,119.078 6.42,119.078

## Keep-outs
Keep-Out Layer:
  lines w0.1: 0,4 0,126 cw(c4,126) 4,130 96,130 cw(c96,126) 100,126 100,4 cw(c95.999,4.001) 95.998,0 ; 0,4.021 ccw(c4.011,4.011) 4.001,0 96,0

## Other copper
Top Layer:
  pour cut-out: 89.1,100.6 91.2,100.6 91.238,100.562 91.238,95.56 89.14,95.56 89.1,95.6
  pour cut-out: 80,70.492 80,59 88,59 88,70.5
  pour cut-out: 87.7,99.2 87.721,99.221 89.134,99.221 89.134,95.634 89.1,95.6 87.7,95.6
  pour cut-out: 9.8,126.6 11.7,126.6 11.7,121.6 9.8,121.6
  pour cut-out: 89.99,15.5 93,15.5 93,20.997 90.001,20.997
  pour cut-out: 67.9,91 67.9,87.3 71.1,87.3 71.1,91
  pour cut-out: 13.5,88.2 16.2,88.2 16.2,79.9 13.4,79.9
  pour cut-out: 20.8,87.8 23.5,87.8 23.5,80.2 20.8,80.2
  pour cut-out: 13,76.8 13.016,76.784 13.016,75.678 14.278,75.678 14.4,75.8 14.4,76.8
  pour cut-out: 0,9 9,9 9,0 0,0
  pour cut-out: 91,9 100,9 100,0 91,0
  pour cut-out: 0,130 9,130 9,121 0,121
  pour cut-out: 73.7,103 79.279,103 79.5,102.779 79.5,99.231 73.7,99.231
Bottom Layer:
  pour cut-out: 91,9 100,9 100,0 91,0
  pour cut-out: 70.4,115.1 86.5,115.1 86.6,115 86.6,112.6 70.4,112.6
  pour cut-out: 0,130 9,130 9,121 0,121
  pour cut-out: 86.6,107.4 86.521,107.479 70.546,107.479 70.546,104.971 70.575,105 86.5,105

## Silkscreen, mask and mechanical layers (free items; w line width, h text height)
Top Overlay:
  drawing of 48 lines, arcs and shapes, not listed
  text "ON" at 14.882,127.042 h1.5 r90
  text "12VV" at 10.3,125.1 h2 r90
  text "VDD" at 83.2,125 h1.5 r90
  text "12V" at 73.8,124.925 h1.5 r90
  text "12VV" at 64.5,124.7 h1.5 r90
  text "24V" at 60.6,123 h2
  text "VDD" at 91.9,121.8 h2
  text "OFF" at 14.882,121.3 h1.5 r90
  text "MOT" at 60.2,121.224 h2
  text "5V" at 73.882,118.8 h1.5 r90
  text "3.3V" at 83.182,118.3 h1.5 r90
  text "24V" at 64.5,118.2 h1.5 r90
  text "12VV" at 19.5,117.3 h2
  text "5V" at 31.5,117.224 h2
  text "5V" at 66.5,112.624 h2
  text "ON" at 64.882,110.022 h1.5 r90
  text "12В" at 22.839,108.395 h2
  text "DC" at 1.2,108.222 h2
  text "12V" at 37.9,106.7 h2 r90
  text "24V" at 0.7,106.6 h2
  text "OFF" at 64.882,104.146 h1.5 r90
  text "5V" at 76.1,103.218 h1.5
  text "3.3V" at 80.8,103.218 h1.5
  text "24V" at 70,103.2 h1.5
  text "12VV" at 72.7,103.2 h1.5
  text "12V" at 78.125,103.2 h1.5
  text "VDD" at 83.9,103.2 h1.5
  text "ON" at 88.382,101.3 h1.5 r90
  text "OFF" at 88.382,95.546 h1.5 r90
  text "12V" at 22.7,89.2 h2 r90
  text "12В!" at 27,88.9 h2 r90
  text "no" at 24.985,85.9 h1.5 r90
  text "5V" at 27.176,85 h2 r90
  text "2" at 25.1,83.6 h1.5 r90
  text "1" at 25.1,81.1 h1.5 r90
  text "BUT" at 27.176,80.2 h2 r90
  text "Прогер," at 67.5,73.333 h3
  text "ты-то куда" at 69.9,70.666 h3
  text "полез?" at 77.7,67.831 h3
  text "LED" at 44.9,58.9 h2
  text "ON" at 45.1,55.624 h2
  text "30V!" at 19.976,52.5 h2 r90
  text "12V" at 60,38.193 h2
  text "24V" at 74.1,38.2 h2
  text "Хочешь" at 55.8,14.931 h3
  text "Конструктор," at 31.3,12.666 h3
  text "коротнуть?" at 62.3,12.666 h3
  text "24V" at 86.8,9.3 h2
Bottom Overlay:
  drawing of 73 lines, arcs and shapes, not listed
  text "30V!" at 18.1,109.424 h2
  text "5А!" at 72.2,108.736 h3
  text "24V" at 28,106.6 h2
  text "5V" at 64.8,97.704 h2
  text "3.3V" at 78.5,97.224 h2
  text "5V" at 33.976,89.4 h2 r90
  text "5VLDO" at 33.976,85.9 h2 r90
  text "LED" at 51.5,85 h2
  text "CMP" at 51.9,83.122 h2
  text "24V" at 37.1,77.9 h2
  text "SOT" at 51.6,73.024 h2
  text "LDO" at 57,72.124 h2
  text "3.3V" at 89.9,69.924 h2
  text "5V" at 75,69.724 h2
  text "10uF" at 38,68.923 h2
  text "RES" at 29,67.324 h2
  text "VAR" at 29.2,65.4 h2
  text "0.1uF" at 65.9,61.924 h2
  text "CMP" at 40.9,60.522 h2
  text "RES" at 32,53.924 h2
  text "BGR" at 54.2,53.024 h2
  text "VAR" at 32.2,52.1 h2
  text "24V" at 16.5,49.1 h2
  text "1uF" at 54.9,38.92 h2
  text "24V" at 28.425,37.902 h2
  text "Положи плату" at 30.7,13.555 h4
  text "на место" at 21.8,9.241 h4

## Text inside footprints (layer, text, board x,y; h text height)
DC1: Top Overlay "GND" at 40.125,41.199 h2; Top Overlay "5V" at 37.525,41.223 h2; Top Overlay "GND" at 43.325,34.699 h2; Top Overlay "GND" at 30.825,41.199 h2; Top Overlay "12V" at 27.425,41.175 h2; Top Overlay "12V" at 24.625,34.775 h2; Top Overlay "5V" at 37.825,32.399 h2; Top Overlay "GND" at 30.225,32.299 h2; Top Overlay "GND" at 12.225,27.999 h2; Top Overlay "GND" at 18.025,20.299 h2; Top Overlay "GND" at 18.025,24.549 h2; Top Overlay "24V" at 18.525,11.075 h2; Top Overlay "24V" at 18.525,15.575 h2; Top Overlay "24V" at 12.825,8.175 h2
DC2: Top Overlay "IN" at 67.993,32.4 h1.5; Top Overlay "G" at 60.293,32.418 h1.5; Top Overlay "G" at 64.193,32.418 h1.5; Top Overlay "OUT" at 55.693,32.418 h1.5
DC3: Top Overlay "MINI560" at 85.002,28.831 h3; Top Overlay "OUT-" at 94.302,43.813 h1.5; Top Overlay "OUT+" at 82.002,43.813 h1.5; Top Overlay "IN-" at 94.902,13.694 h2; Top Overlay "IN+" at 82.702,13.694 h2
DC4: Top Overlay "IN-" at 81,55.4 h2; Top Overlay "OUT-" at 79.1,96.224 h2; Top Overlay "OUT+" at 69.8,96.224 h2; Top Overlay "LM2596" at 72.1,76.836 h3; Top Overlay "IN+" at 69.8,55.5 h2
DSCAP24V: Top Overlay "ON" at 16.677,83.1 h1.5 r90; Top Overlay "1" at 21.021,81.141 h1.5 r90; Top Overlay "2" at 21.021,83.7 h1.5 r90; Top Overlay "3" at 21.021,86.3 h1.5 r90
DSIND: Top Overlay "5" at 81.612,107.443 h1.5; Top Overlay "4" at 79.072,107.426 h1.5; Top Overlay "1" at 71.5,107.425 h1.5; Top Overlay "2" at 74.032,107.425 h1.5; Top Overlay "3" at 76.632,107.425 h1.5; Top Overlay "6" at 84.112,107.425 h1.5; Top Overlay "ON" at 77.1,111.725 h1.52
FUSE3.3V: Top Overlay "A" at 95,69.6 h4 r90
FUSE5V: Top Overlay "A" at 39.5,63.4 h4 r90
FUSE12V: Top Overlay "A" at 45.1,91.4 h4 r90
FUSE12VV: Top Overlay "A" at 27.5,63.3 h4 r90
FUSE24V: Top Overlay "A" at 57.2,91.4 h4 r90
FUSEDC050: Top Overlay "A" at 7.6,92.5 h4 r90
FUSEIN: Top Overlay "A" at 8.7,47.3 h4 r90